# KiCad board pcb-rounded.kicad_pcb (continued)
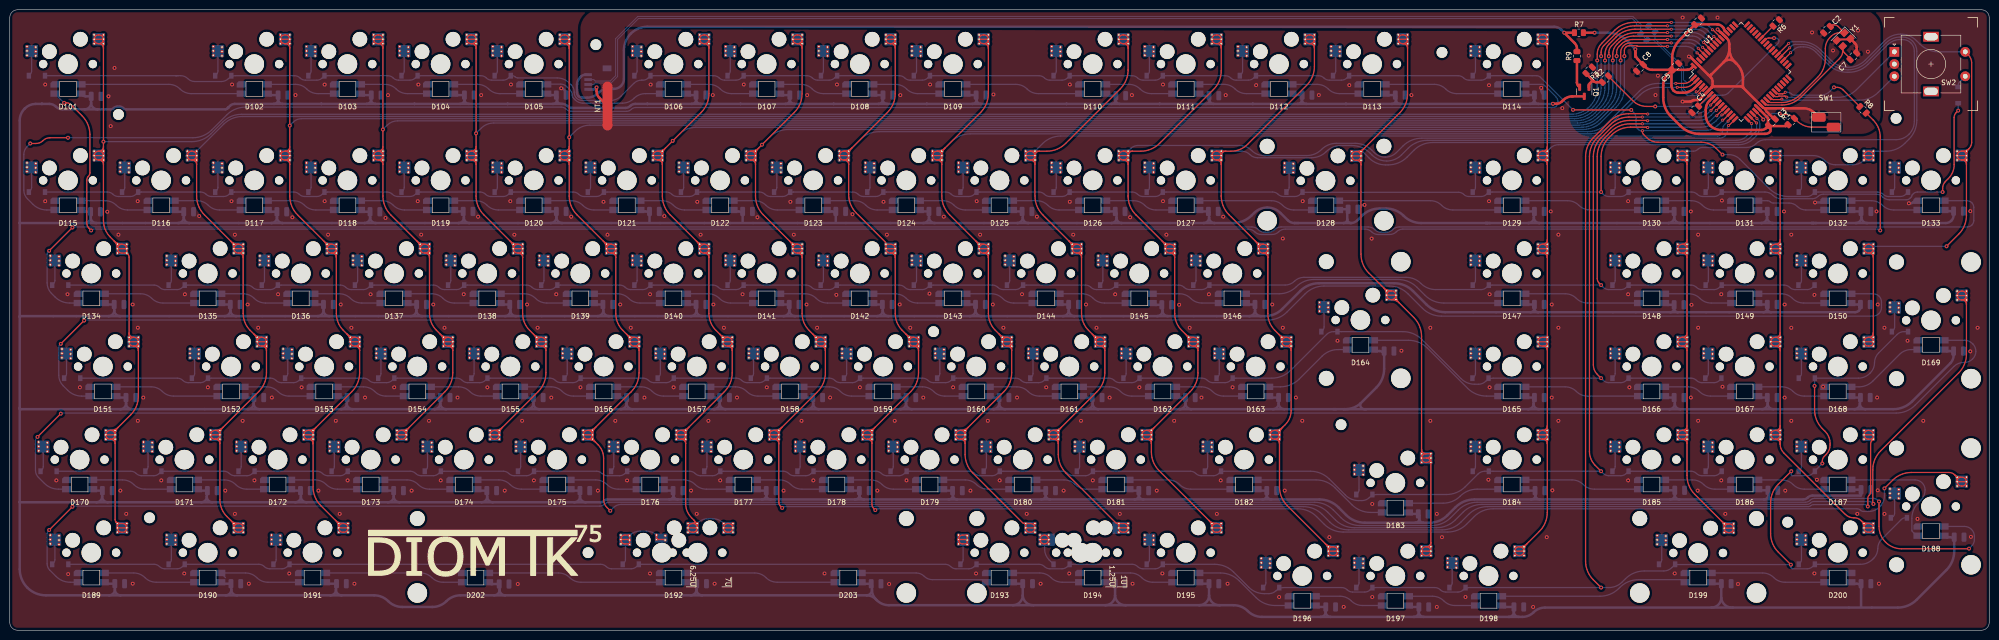
[diagram p0: board, top side]
## Routing (per net, layer and track width the routed paths; a pad name or vN(x,y) marks a point on that pad's centre or on a via; arc(x,y) is an arc through that point) (continued)
COL16: length 223.5
  Top w0.254: MX86.1 MX86.1 ; MX86.1 arc(360.42,40.64) 361.06,40.9 361.16,40.9 ; MX86.1 arc(360.42,39.36) 361.06,39.1 361.16,39.1 ; MX86.1 362.06,41.8 ; MX86.1 362.06,38.2 ; MX86.1 arc(361.79,39.36) 361.16,39.1 ; MX86.1 arc(361.79,40.64) 361.16,40.9 ; MX49.1 MX49.1 ; MX49.1 arc(360.42,77.46) 361.06,77.2 361.16,77.2 ; MX49.1 arc(360.42,78.74) 361.06,79 361.16,79 ; MX49.1 362.06,76.3 ; MX49.1 362.06,79.9 ; MX49.1 arc(361.79,77.46) 361.16,77.2 ; MX49.1 arc(361.79,78.74) 361.16,79 ; 361.16,96.25 361.06,96.25 arc(360.42,96.51) MX31.1 ; 361.16,96.25 arc(361.79,95.99) 362.06,95.35 ; 361.16,96.25 arc(361.79,96.51) MX31.1 ; 361.16,59.95 361.06,59.95 arc(360.42,59.69) MX67.1 ; 361.16,59.95 arc(361.79,60.21) 362.06,60.85 ; 361.16,59.95 arc(361.79,59.69) MX67.1 ; 362.06,76.3 362.06,60.85 ; 362.06,76.3 arc(361.79,76.94) 361.16,77.2 ; 362.06,60.85 MX67.1 ; U1.36 362.07,117.24 arc(362.07,117.28) 362.09,117.31 v2(364,119.21) ; MX67.1 MX67.1 ; MX67.1 arc(360.42,58.41) 361.06,58.15 361.16,58.15 ; MX67.1 362.06,57.25 ; MX67.1 arc(361.79,58.41) 361.16,58.15 ; MX31.1 362.06,95.35 ; MX31.1 MX31.1 ; MX31.1 arc(361.79,97.79) 361.16,98.05 361.06,98.05 arc(360.42,97.79) MX31.1 ; 362.06,95.35 362.06,79.9 ; 362.06,79.9 arc(361.79,79.26) 361.16,79 ; 362.06,57.25 362.06,41.8 ; 362.06,57.25 arc(361.79,57.89) 361.16,58.15 ; 362.06,41.8 arc(361.79,41.16) 361.16,40.9 ; MX100.1 MX100.1 ; MX100.1 arc(380.84,21.59) 380.21,21.85 380.03,21.85 ; MX100.1 arc(380.84,20.31) 380.21,20.05 380.11,20.05 arc(379.47,20.31) MX100.1 ; MX100.1 379.21,21.02 ; 379.21,21.02 arc(379.45,21.61) 380.03,21.85 ; 379.21,21.02 arc(379.05,21.79) 378.62,22.43 ; MX32.1 MX32.1 ; MX32.1 arc(380.84,96.51) 380.21,96.25 380.11,96.25 arc(379.47,96.51) MX32.1 ; MX32.1 arc(380.84,97.79) 380.21,98.05 380.11,98.05 arc(379.47,97.79) MX32.1 ; 362.06,38.2 362.06,38.07 arc(362.25,37.12) 362.78,36.31 375.38,23.71 arc(376.15,23.2) 377.06,23.02 377.21,23.02 arc(377.97,22.87) 378.62,22.43 ; 362.06,38.2 arc(361.79,38.84) 361.16,39.1 ; 380.03,21.85 arc(379.27,22) 378.62,22.43
  Bottom w0.254: v2(364,119.21) 364.35,119.56 arc(364.74,119.82) 365.19,119.91 366.6,119.91 arc(368.36,119.56) 369.84,118.57 372.11,116.3 arc(373.87,115.13) 375.95,114.71 arc(378.03,115.13) 379.79,116.3 383.7,120.21 arc(385.03,121.1) 386.6,121.41 387.1,121.41 arc(388.21,121.19) 389.15,120.56 arc(389.78,119.62) 390,118.51 390,104.37 arc(389.59,102.28) 388.41,100.52 387.53,99.64 arc(385.77,98.46) 383.68,98.05 MX32.1 ; MX31.1 368.83,97.16 arc(370.06,96.91) 371.1,96.22 arc(372.14,95.52) 373.36,95.28 376.94,95.28 arc(378.17,95.52) 379.21,96.22 MX32.1
COL17: length 150.7
  Top w0.254: 400.16,95.35 400.16,84.91 arc(399.74,82.83) 398.56,81.06 v1(396.08,78.58) ; 400.16,95.35 MX33.1 ; 400.16,95.35 arc(399.89,95.99) 399.26,96.25 ; 381.11,60.85 381.11,76.3 ; 381.11,60.85 MX68.1 ; 381.11,60.85 arc(380.84,60.21) 380.21,59.95 ; 381.11,76.3 MX50.1 ; 381.11,76.3 arc(380.84,76.94) 380.21,77.2 ; 399.26,96.25 399.16,96.25 arc(398.52,96.51) MX33.1 ; 399.26,96.25 arc(399.89,96.51) MX33.1 ; MX68.1 MX68.1 ; MX68.1 arc(379.47,58.41) 380.11,58.15 380.21,58.15 arc(380.84,58.41) MX68.1 ; MX68.1 arc(379.47,59.69) 380.11,59.95 380.21,59.95 ; MX68.1 arc(380.84,59.69) 380.21,59.95 ; 399.4,98.05 399.16,98.05 arc(398.52,97.79) MX33.1 ; 399.4,98.05 arc(400.1,98.19) 400.69,98.58 ; 399.4,98.05 arc(399.94,97.83) 400.16,97.3 ; v2(363.8,120.11) 361.52,117.83 arc(361.51,117.81) 361.5,117.79 U1.37 ; 380.21,77.2 380.11,77.2 arc(379.47,77.46) MX50.1 ; 380.21,77.2 arc(380.84,77.46) MX50.1 ; MX33.1 MX33.1 ; MX33.1 400.16,97.3 ; SW2.S2 400.56,117.73 arc(401.05,117) 401.22,116.14 401.22,99.87 arc(401.08,99.17) 400.69,98.58 ; MX50.1 MX50.1 ; MX50.1 arc(379.47,78.74) 380.11,79 380.21,79 arc(380.84,78.74) MX50.1 ; 400.16,97.3 arc(400.29,97.99) 400.69,98.58
  Bottom w0.254: v1(396.08,78.58) 380.96,78.58 arc(380.65,78.52) 380.38,78.34 MX50.1 ; SW2.S2 394.48,118.39 arc(392.4,118.8) 390.63,119.98 389.94,120.67 arc(388.46,121.66) 386.7,122.01 arc(384.94,121.66) 383.46,120.67 379.45,116.66 arc(377.84,115.59) 375.95,115.21 arc(374.06,115.59) 372.45,116.66 370.24,118.87 arc(368.48,120.05) 366.4,120.46 364.4,120.46 arc(364.17,120.42) 363.98,120.29 v2(363.8,120.11)
D+: length 249.4
  Top w0.2: v2(345.47,109.65) 345.47,109.93 346.37,110.84 U1.5
  Bottom w0.2: 118.28,111.71 119.44,111.71 119.74,112.01 122.98,112.01 124.3,113.33 124.3,120.93 128.58,125.21 331.79,125.21 332.64,124.35 arc(332.69,124.24) 332.64,124.13 arc(332.6,124.02) 332.64,123.91 332.7,123.85 arc(332.81,123.81) 332.92,123.85 arc(333.03,123.9) 333.14,123.85 333.52,123.47 R4.2 R4.1 336.16,120.8 341.9,115.06 341.9,110.63 343.02,109.51 345.05,109.51 345.18,109.65 v2(345.47,109.65)
D-: length 249.3
  Top w0.2: U1.4 346.09,111.12 345.18,110.21 v2(344.9,110.21)
  Bottom w0.2: 118.28,112.71 119.44,112.71 119.74,112.41 122.82,112.41 123.9,113.5 123.9,121.1 128.42,125.61 331.95,125.61 333.81,123.76 R5.2 R5.1 336.45,121.08 342.3,115.23 342.3,112.71 arc(342.38,112.52) 342.57,112.44 342.58,112.44 arc(342.77,112.36) 342.85,112.17 arc(342.77,111.98) 342.58,111.9 342.57,111.9 arc(342.38,111.82) 342.3,111.63 342.3,110.8 343.18,109.91 344.88,109.91 344.9,109.93 v2(344.9,110.21)
ROT_A: length 28.9
  Top w0.254: U1.26 360.61,109.47 arc(360.87,109.29) 361.18,109.23 361.56,109.23 arc(361.63,109.24) 361.68,109.28 arc(361.74,109.32) 361.81,109.33 363.03,109.33 arc(363.17,109.3) 363.29,109.22 v2(363.4,109.11)
  Bottom w0.254: v2(363.4,109.11) 363.42,109.09 arc(363.45,109.07) 363.47,109.07 373.83,109.07 arc(375.92,109.48) 377.68,110.66 SW2.A
ROT_B: length 27.7
  Top w0.254: v2(362.4,108.71) 362.35,108.66 arc(362.29,108.63) 362.23,108.61 360.7,108.61 arc(360.36,108.68) 360.07,108.88 U1.25
  Bottom w0.254: v2(362.4,108.71) 362.51,108.6 arc(362.63,108.52) 362.77,108.5 378.26,108.5 arc(380.34,108.91) 382.11,110.09 SW2.B
ROW0: length 423
  Top w0.254: v1(350.27,97.35) 349,98.62 arc(347.59,99.56) 345.93,99.89 337.04,99.89 arc(335.83,100.13) 334.81,100.81 334.06,101.55 arc(333.93,101.75) 333.88,101.99 v2(333.88,102.24) ; v1(331.6,106.49) 319.74,106.49 arc(319.72,106.49) 319.71,106.5 v1(319.7,106.51) ; v2(350.3,104.41) 350.36,104.41 arc(350.41,104.42) 350.45,104.45 U1.14
  Bottom w0.25: 34,113.51 D1.1 ; 34,113.51 34.01,113.51 ; 34,113.51 arc(34.01,113.51) 34.01,113.51 ; 34.01,113.51 34.51,113.51 ; 34.01,113.51 arc(34.01,113.51) 34.01,113.51 ; 34.01,113.51 arc(34.01,113.51) 34.02,113.51 34.95,113.51 arc(35.74,113.36) 36.4,112.91 arc(37.06,112.47) 37.85,112.31 43.27,112.31 arc(44.05,112.47) 44.71,112.91 arc(45.37,113.35) 46.15,113.51 58.25,113.51 arc(58.84,113.39) 59.35,113.05 arc(59.86,112.71) 60.45,112.59 62.79,112.59 arc(63.39,112.71) 63.9,113.05 arc(64.41,113.39) 65,113.51 77.3,113.51 arc(77.9,113.39) 78.4,113.05 arc(78.91,112.71) 79.51,112.59 81.84,112.59 arc(82.44,112.71) 82.95,113.05 arc(83.46,113.39) 84.05,113.51 96.35,113.51 arc(96.95,113.39) 97.45,113.05 arc(97.96,112.71) 98.56,112.59 100.89,112.59 arc(101.49,112.71) 102,113.05 102.23,113.28 arc(102.48,113.45) 102.78,113.51 arc(103.08,113.45) 103.34,113.28 arc(103.59,113.11) 103.89,113.05 111.96,113.05 arc(113.29,112.78) 114.41,112.03 114.85,111.59 arc(115.28,110.95) 115.43,110.19 115.43,110.04 arc(115.55,109.43) 115.9,108.91 arc(116.41,108.56) 117.02,108.44 122.86,108.44 arc(124.03,108.68) 125.03,109.35 127.63,111.94 arc(128.35,112.42) 129.2,112.59 129.47,112.59 arc(130.07,112.71) 130.57,113.05 arc(131.08,113.39) 131.68,113.51 143.98,113.51 arc(144.57,113.39) 145.08,113.05 arc(145.59,112.71) 146.18,112.59 148.52,112.59 arc(149.12,112.71) 149.62,113.05 arc(150.13,113.39) 150.73,113.51 163.03,113.51 arc(163.62,113.39) 164.13,113.05 arc(164.64,112.71) 165.23,112.59 167.57,112.59 arc(168.17,112.71) 168.67,113.05 arc(169.18,113.39) 169.78,113.51 181.92,113.51 arc(182.51,113.39) 183.02,113.05 arc(183.53,112.71) 184.12,112.59 186.62,112.59 arc(187.22,112.71) 187.72,113.05 arc(188.23,113.39) 188.83,113.51 210.49,113.51 arc(211.09,113.39) 211.6,113.05 arc(212.1,112.71) 212.7,112.59 215.19,112.59 arc(215.79,112.71) 216.3,113.05 arc(216.81,113.39) 217.4,113.51 229.54,113.51 arc(230.14,113.39) 230.65,113.05 arc(231.15,112.71) 231.75,112.59 234.24,112.59 arc(234.84,112.71) 235.35,113.05 arc(235.86,113.39) 236.45,113.51 248.59,113.51 arc(249.19,113.39) 249.7,113.05 arc(250.2,112.71) 250.8,112.59 253.29,112.59 arc(253.89,112.71) 254.4,113.05 arc(254.91,113.39) 255.5,113.51 267.64,113.51 arc(268.24,113.39) 268.75,113.05 arc(269.25,112.71) 269.85,112.59 272.34,112.59 arc(272.94,112.71) 273.45,113.05 arc(273.96,113.39) 274.55,113.51 296.22,113.51 arc(296.81,113.39) 297.32,113.05 arc(297.83,112.71) 298.42,112.59 300.92,112.59 arc(301.52,112.71) 302.02,113.05
  Bottom w0.254: v1(331.6,106.49) 332.09,106 arc(332.45,105.45) 332.58,104.81 332.58,103.47 arc(332.67,103) 332.94,102.6 333.09,102.45 arc(333.32,102.3) 333.59,102.24 v2(333.88,102.24) 333.9,102.26 arc(333.92,102.27) 333.94,102.28 346.74,102.28 arc(348.1,102.55) 349.26,103.32 350.28,104.35 arc(350.3,104.37) 350.3,104.39 v2(350.3,104.41) ; v1(350.27,97.35) 351.58,97.35 arc(352.79,97.1) 353.82,96.42 357.17,93.06 arc(357.18,93.06) 357.18,93.05 arc(357.18,93.05) 357.18,93.05 359.85,90.37 arc(361.62,89.19) 363.7,88.78 367.59,88.78 arc(368.19,88.9) 368.7,89.24 arc(369.21,89.57) 369.8,89.69 382,89.69 arc(382.6,89.57) 383.11,89.24 arc(383.61,88.9) 384.21,88.78 386.64,88.78 arc(387.24,88.9) 387.75,89.24 D33.1 ; v1(319.7,106.51) 313.03,113.18 arc(312.67,113.42) 312.25,113.51 303.13,113.51 arc(302.53,113.39) 302.02,113.05
ROW1: length 454.4
  Top w0.254: v1(395.29,89.69) 395.29,90.49 arc(395.43,91.22) 395.85,91.84 396.46,92.46 arc(397.33,93.76) 397.64,95.3 397.64,104.96 arc(397.75,105.49) 398.05,105.95 v1(398.46,106.36) ; v2(350.14,105.47) 350.24,105.47 arc(350.33,105.49) 350.41,105.54 U1.13 ; v2(334.95,102.89) 334.92,102.93 arc(334.88,102.96) 334.83,102.97 331.44,102.97 arc(329.36,102.55) 327.59,101.37 327.03,100.81 arc(325.85,99.05) 325.44,96.96 v1(325.44,89.69)
  Bottom w0.254: v1(398.46,106.36) D201.1 ; v2(334.95,102.89) 334.99,102.93 arc(335.02,102.95) 335.07,102.96 345.85,102.96 arc(347.49,103.29) 348.88,104.22 v2(350.14,105.47) ; D15.1 19.99,89.69 arc(20.59,89.57) 21.1,89.24 arc(21.6,88.9) 22.2,88.78 24.69,88.78 arc(25.29,88.9) 25.8,89.24 arc(26.31,89.57) 26.9,89.69 39.04,89.69 arc(39.64,89.57) 40.15,89.24 arc(40.65,88.9) 41.25,88.78 43.74,88.78 arc(44.34,88.9) 44.85,89.24 arc(45.36,89.57) 45.95,89.69 58.09,89.69 arc(58.69,89.57) 59.2,89.24 arc(59.7,88.9) 60.3,88.78 62.79,88.78 arc(63.39,88.9) 63.9,89.24 arc(64.41,89.57) 65,89.69 77.14,89.69 arc(77.74,89.57) 78.25,89.24 arc(78.75,88.9) 79.35,88.78 81.84,88.78 arc(82.44,88.9) 82.95,89.24 arc(83.46,89.57) 84.05,89.69 96.19,89.69 arc(96.79,89.57) 97.3,89.24 arc(97.8,88.9) 98.4,88.78 100.89,88.78 arc(101.49,88.9) 102,89.24 arc(102.51,89.57) 103.1,89.69 115.24,89.69 arc(115.84,89.57) 116.35,89.24 arc(116.85,88.9) 117.45,88.78 119.94,88.78 arc(120.54,88.9) 121.05,89.24 arc(121.56,89.57) 122.15,89.69 134.29,89.69 arc(134.89,89.57) 135.4,89.24 arc(135.9,88.9) 136.5,88.78 138.99,88.78 arc(139.59,88.9) 140.1,89.24 arc(140.61,89.57) 141.2,89.69 153.34,89.69 arc(153.94,89.57) 154.45,89.24 arc(154.95,88.9) 155.55,88.78 158.04,88.78 arc(158.64,88.9) 159.15,89.24 arc(159.66,89.57) 160.25,89.69 172.39,89.69 arc(172.99,89.57) 173.5,89.24 arc(174,88.9) 174.6,88.78 177.09,88.78 arc(177.69,88.9) 178.2,89.24 arc(178.71,89.57) 179.3,89.69 191.44,89.69 arc(192.04,89.57) 192.55,89.24 arc(193.05,88.9) 193.65,88.78 196.14,88.78 arc(196.74,88.9) 197.25,89.24 arc(197.76,89.57) 198.35,89.69 210.49,89.69 arc(211.09,89.57) 211.6,89.24 arc(212.1,88.9) 212.7,88.78 215.19,88.78 arc(215.79,88.9) 216.3,89.24 arc(216.81,89.57) 217.4,89.69 229.54,89.69 arc(230.14,89.57) 230.65,89.24 arc(231.15,88.9) 231.75,88.78 234.24,88.78 arc(234.84,88.9) 235.35,89.24 arc(235.86,89.57) 236.45,89.69 258.27,89.69 arc(258.87,89.57) 259.38,89.24 arc(259.89,88.9) 260.49,88.78 262.82,88.78 arc(263.41,88.9) 263.92,89.24 264.35,89.67 arc(264.38,89.68) 264.41,89.67 arc(264.44,89.65) 264.48,89.64 296.31,89.64 arc(296.87,89.53) 297.35,89.21 arc(297.83,88.89) 298.39,88.78 300.92,88.78 arc(301.51,88.9) 302.02,89.24 arc(302.53,89.57) 303.13,89.69 v1(325.44,89.69) 325.9,89.24 arc(326.4,88.9) 327,88.78 329.49,88.78 arc(330.09,88.9) 330.6,89.24 arc(331.11,89.57) 331.7,89.69 344,89.69 arc(344.6,89.57) 345.1,89.24 arc(345.61,88.9) 346.21,88.78 348.54,88.78 arc(349.14,88.9) 349.65,89.24 arc(350.16,89.57) 350.75,89.69 358.94,89.69 arc(359.83,89.52) 360.58,89.01 arc(361.34,88.51) 362.23,88.33 368.67,88.33 arc(369.27,88.45) 369.78,88.79 arc(370.29,89.13) 370.89,89.25 381.66,89.25 arc(382.4,89.1) 383.04,88.68 arc(383.67,88.25) 384.42,88.11 387.83,88.11 arc(388.27,88.19) 388.64,88.44 388.89,88.69 arc(388.95,88.79) 388.97,88.9 arc(389,89.01) 389.06,89.11 389.31,89.36 arc(389.68,89.61) 390.12,89.69 v1(395.29,89.69)
ROW2: length 423.5
  Top w0.254: U1.12 349.12,105.38 arc(349.1,105.36) 349.1,105.34 v2(349.1,105.31) ; v2(333.88,103.66) 333.88,103.66 331.34,103.66 arc(329.25,103.24) 327.49,102.06 326.24,100.81 arc(325.06,99.05) 324.64,96.96 324.64,72 arc(324.75,71.48) 325.04,71.04 v1(325.44,70.64)
  Bottom w0.254: 369.16,70.64 368.7,70.19 arc(368.19,69.85) 367.59,69.73 365.1,69.73 arc(364.5,69.85) 364,70.19 arc(363.49,70.52) 362.89,70.64 350.75,70.64 arc(350.16,70.52) 349.65,70.19 arc(349.14,69.85) 348.54,69.73 346.05,69.73 arc(345.45,69.85) 344.95,70.19 arc(344.44,70.52) 343.84,70.64 331.7,70.64 arc(331.11,70.52) 330.6,70.19 arc(330.09,69.85) 329.49,69.73 327,69.73 arc(326.4,69.85) 325.9,70.19 v1(325.44,70.64) 303.13,70.64 arc(302.53,70.52) 302.02,70.19 arc(301.51,69.85) 300.92,69.73 291.61,69.73 arc(289.98,70.05) 288.59,70.98 arc(287.2,71.91) 285.57,72.23 264.64,72.23 arc(263.61,72.03) 262.74,71.44 arc(261.86,70.86) 260.83,70.65 245.35,70.65 arc(245.34,70.65) 245.34,70.65 244.87,70.19 arc(244.36,69.85) 243.77,69.73 241.28,69.73 arc(240.68,69.85) 240.17,70.19 arc(239.66,70.52) 239.06,70.64 226.93,70.64 arc(226.33,70.52) 225.82,70.19 arc(225.31,69.85) 224.72,69.73 222.23,69.73 arc(221.63,69.85) 221.12,70.19 arc(220.61,70.52) 220.01,70.64 207.88,70.64 arc(207.28,70.52) 206.77,70.19 arc(206.26,69.85) 205.67,69.73 203.18,69.73 arc(202.58,69.85) 202.07,70.19 arc(201.56,70.52) 200.96,70.64 188.83,70.64 arc(188.23,70.52) 187.72,70.19 arc(187.21,69.85) 186.62,69.73 184.13,69.73 arc(183.53,69.85) 183.02,70.19 arc(182.51,70.52) 181.91,70.64 169.78,70.64 arc(169.18,70.52) 168.67,70.19 arc(168.16,69.85) 167.57,69.73 165.08,69.73 arc(164.48,69.85) 163.97,70.19 arc(163.46,70.52) 162.86,70.64 150.73,70.64 arc(150.13,70.52) 149.62,70.19 arc(149.11,69.85) 148.52,69.73 146.03,69.73 arc(145.43,69.85) 144.92,70.19 arc(144.41,70.52) 143.81,70.64 131.68,70.64 arc(131.08,70.52) 130.57,70.19 arc(130.06,69.85) 129.47,69.73 126.98,69.73 arc(126.38,69.85) 125.87,70.19 arc(125.36,70.52) 124.76,70.64 112.63,70.64 arc(112.03,70.52) 111.52,70.19 arc(111.01,69.85) 110.42,69.73 107.93,69.73 arc(107.33,69.85) 106.82,70.19 arc(106.31,70.52) 105.71,70.64 93.58,70.64 arc(92.98,70.52) 92.47,70.19 arc(91.96,69.85) 91.37,69.73 88.88,69.73 arc(88.28,69.85) 87.77,70.19 arc(87.26,70.52) 86.66,70.64 74.53,70.64 arc(73.93,70.52) 73.42,70.19 arc(72.91,69.85) 72.32,69.73 69.83,69.73 arc(69.23,69.85) 68.72,70.19 arc(68.21,70.52) 67.61,70.64 55.48,70.64 arc(54.88,70.52) 54.37,70.19 arc(53.86,69.85) 53.27,69.73 50.78,69.73 arc(50.18,69.85) 49.67,70.19 arc(49.16,70.52) 48.56,70.64 36.43,70.64 arc(35.83,70.52) 35.32,70.19 arc(34.81,69.85) 34.22,69.73 31.73,69.73 arc(31.13,69.85) 30.62,70.19 arc(30.11,70.52) 29.51,70.64 D34.1 ; v2(349.1,105.31) 348.97,105.31 arc(348.85,105.29) 348.74,105.22 348.01,104.48 arc(347.09,103.87) 346.01,103.66 v2(333.88,103.66)
ROW3: length 428
  Top w0.254: v1(325.44,51.59) 324.64,52.39 arc(324.06,53.27) 323.85,54.3 323.85,96.96 arc(324.26,99.05) 325.44,100.81 327.38,102.75 arc(329.15,103.93) 331.23,104.35 334.83,104.35 arc(334.88,104.34) 334.92,104.31 v2(334.95,104.27) ; U1.11 349.02,106.42 arc(349.02,106.41) 349.01,106.41 v2(349,106.41)
  Bottom w0.254: 350.11,51.59 349.65,51.14 arc(349.14,50.8) 348.54,50.68 346.05,50.68 arc(345.45,50.8) 344.95,51.14 arc(344.44,51.47) 343.84,51.59 331.7,51.59 arc(331.11,51.47) 330.6,51.14 arc(330.09,50.8) 329.49,50.68 327,50.68 arc(326.4,50.8) 325.9,51.14 v1(325.44,51.59) 303.36,51.59 arc(302.55,51.43) 301.86,50.97 arc(301.17,50.51) 300.36,50.35 299.59,50.35 arc(298.07,50.65) 296.78,51.51 288.77,59.52 arc(287,60.7) 284.92,61.12 270.7,61.12 arc(269.94,60.97) 269.29,60.54 261.94,53.19 arc(260.18,52.01) 258.1,51.59 250.74,51.59 arc(250.14,51.47) 249.64,51.14 arc(249.13,50.8) 248.53,50.68 246.04,50.68 arc(245.44,50.8) 244.93,51.14 arc(244.43,51.47) 243.83,51.59 231.69,51.59 arc(231.09,51.47) 230.59,51.14 arc(230.08,50.8) 229.48,50.68 226.99,50.68 arc(226.39,50.8) 225.88,51.14 arc(225.38,51.47) 224.78,51.59 212.64,51.59 arc(212.04,51.47) 211.54,51.14 arc(211.03,50.8) 210.43,50.68 207.94,50.68 arc(207.34,50.8) 206.83,51.14 arc(206.33,51.47) 205.73,51.59 193.59,51.59 arc(192.99,51.47) 192.49,51.14 arc(191.98,50.8) 191.38,50.68 188.89,50.68 arc(188.29,50.8) 187.78,51.14 arc(187.28,51.47) 186.68,51.59 174.54,51.59 arc(173.94,51.47) 173.44,51.14 arc(172.93,50.8) 172.33,50.68 169.84,50.68 arc(169.24,50.8) 168.73,51.14 arc(168.23,51.47) 167.63,51.59 155.49,51.59 arc(154.89,51.47) 154.39,51.14 arc(153.88,50.8) 153.28,50.68 150.79,50.68 arc(150.19,50.8) 149.68,51.14 arc(149.18,51.47) 148.58,51.59 136.44,51.59 arc(135.84,51.47) 135.34,51.14 arc(134.83,50.8) 134.23,50.68 131.74,50.68 arc(131.14,50.8) 130.63,51.14 arc(130.13,51.47) 129.53,51.59 117.39,51.59 arc(116.79,51.47) 116.29,51.14 arc(115.78,50.8) 115.18,50.68 112.69,50.68 arc(112.09,50.8) 111.58,51.14 arc(111.08,51.47) 110.48,51.59 98.34,51.59 arc(97.74,51.47) 97.24,51.14 arc(96.73,50.8) 96.13,50.68 93.64,50.68 arc(93.04,50.8) 92.53,51.14 arc(92.03,51.47) 91.43,51.59 79.29,51.59 arc(78.69,51.47) 78.19,51.14 arc(77.68,50.8) 77.08,50.68 74.59,50.68 arc(73.99,50.8) 73.48,51.14 arc(72.98,51.47) 72.38,51.59 60.24,51.59 arc(59.64,51.47) 59.14,51.14 arc(58.63,50.8) 58.03,50.68 55.54,50.68 arc(54.94,50.8) 54.43,51.14 arc(53.93,51.47) 53.33,51.59 41.19,51.59 arc(40.59,51.47) 40.09,51.14 arc(39.58,50.8) 38.98,50.68 36.49,50.68 arc(35.89,50.8) 35.38,51.14 arc(34.88,51.47) 34.28,51.59 14.35,51.59 ; v2(334.95,104.27) 334.99,104.31 arc(335.03,104.34) 335.08,104.35 345.39,104.35 arc(346.74,104.62) 347.89,105.38 348.89,106.38 arc(348.92,106.41) 348.96,106.41 v2(349,106.41)
ROW4: length 448.6
  Top w0.254: v2(333.88,105.04) 331.13,105.04 arc(329.05,104.62) 327.28,103.44 324.65,100.81 arc(323.47,99.05) 323.06,96.96 323.06,36.61 arc(323.37,35.05) 324.25,33.73 v1(325.44,32.54) ; v2(347.9,106.41) 347.9,106.42 arc(347.9,106.43) 347.91,106.43 U1.10
  Bottom w0.254: D86.1 349.65,32.09 arc(349.14,31.75) 348.54,31.63 346.05,31.63 arc(345.45,31.75) 344.95,32.09 arc(344.44,32.42) 343.84,32.54 331.7,32.54 arc(331.11,32.42) 330.6,32.09 arc(330.09,31.75) 329.49,31.63 327,31.63 arc(326.4,31.75) 325.9,32.09 v1(325.44,32.54) 301.66,32.54 arc(300.89,32.39) 300.25,31.96 297.66,29.38 arc(295.9,28.2) 293.81,27.78 279.55,27.78 arc(278.74,27.62) 278.05,27.16 arc(277.36,26.7) 276.54,26.54 275.84,26.54 arc(274.38,26.83) 273.15,27.65 269.85,30.95 arc(268.08,32.13) 266,32.54 248.36,32.54 arc(247.76,32.42) 247.25,32.09 arc(246.75,31.75) 246.15,31.63 243.66,31.63 arc(243.06,31.75) 242.55,32.09 arc(242.04,32.42) 241.45,32.54 222.17,32.54 arc(221.57,32.42) 221.06,32.09 arc(220.55,31.75) 219.95,31.63 217.47,31.63 arc(216.87,31.75) 216.36,32.09 arc(215.85,32.42) 215.25,32.54 203.12,32.54 arc(202.52,32.42) 202.01,32.09 arc(201.5,31.75) 200.9,31.63 198.42,31.63 arc(197.82,31.75) 197.31,32.09 arc(196.8,32.42) 196.2,32.54 184.07,32.54 arc(183.47,32.42) 182.96,32.09 arc(182.45,31.75) 181.85,31.63 179.37,31.63 arc(178.77,31.75) 178.26,32.09 arc(177.75,32.42) 177.15,32.54 165.02,32.54 arc(164.42,32.42) 163.91,32.09 arc(163.4,31.75) 162.8,31.63 160.39,31.63 arc(159.8,31.75) 159.29,32.09 arc(158.78,32.42) 158.18,32.54 145.97,32.54 arc(145.37,32.42) 144.86,32.09 arc(144.35,31.75) 143.75,31.63 141.27,31.63 arc(140.67,31.75) 140.16,32.09 arc(139.65,32.42) 139.05,32.54 126.92,32.54 arc(126.32,32.42) 125.81,32.09 arc(125.3,31.75) 124.7,31.63 122.22,31.63 arc(121.62,31.75) 121.11,32.09 arc(120.6,32.42) 120,32.54 107.87,32.54 arc(107.27,32.42) 106.76,32.09 arc(106.25,31.75) 105.65,31.63 103.17,31.63 arc(102.57,31.75) 102.06,32.09 arc(101.55,32.42) 100.95,32.54 88.82,32.54 arc(88.22,32.42) 87.71,32.09 arc(87.2,31.75) 86.6,31.63 84.12,31.63 arc(83.52,31.75) 83.01,32.09 arc(82.5,32.42) 81.9,32.54 69.77,32.54 arc(69.17,32.42) 68.66,32.09 arc(68.15,31.75) 67.55,31.63 65.07,31.63 arc(64.47,31.75) 63.96,32.09 arc(63.45,32.42) 62.85,32.54 50.72,32.54 arc(50.12,32.42) 49.61,32.09 arc(49.1,31.75) 48.5,31.63 46.02,31.63 arc(45.42,31.75) 44.91,32.09 arc(44.4,32.42) 43.8,32.54 31.67,32.54 arc(31.07,32.42) 30.56,32.09 arc(30.05,31.75) 29.45,31.63 26.97,31.63 arc(26.37,31.75) 25.86,32.09 arc(25.35,32.42) 24.75,32.54 D70.1 ; v2(347.9,106.41) 347.21,105.72 arc(346.45,105.22) 345.55,105.04 v2(333.88,105.04)
ROW5: length 584.5
  Top w0.254: v2(334.95,105.65) 334.91,105.69 arc(334.87,105.72) 334.82,105.73 331.03,105.73 arc(328.94,105.31) 327.18,104.13 323.86,100.81 arc(322.68,99.05) 322.26,96.96 322.26,14.15 arc(322.68,12.08) 323.85,10.32 v1(325.44,8.73) ; v2(347.85,107.51) 347.85,107.51 arc(347.85,107.51) 347.86,107.51 U1.9 ; v1(369.09,50.01) 369.09,45.11 arc(369.51,43.03) 370.68,41.28 371.24,40.72 arc(372,39.58) 372.27,38.23 372.27,37.9 arc(372.06,36.86) 371.48,35.98 371.05,35.56 arc(370.78,35.15) 370.68,34.66 v1(370.68,34.13) ; v1(364.33,32.54) 361.69,29.91 arc(360.51,28.14) 360.1,26.06 360.1,19.82 arc(360.51,17.74) 361.69,15.97 v1(364.25,13.41)
  Bottom w0.254: D89.1 29.51,13.49 arc(30.11,13.37) 30.62,13.04 arc(31.13,12.7) 31.73,12.58 34.22,12.58 arc(34.81,12.7) 35.32,13.04 arc(35.83,13.37) 36.43,13.49 50.95,13.49 arc(51.54,13.37) 52.05,13.04 arc(52.56,12.7) 53.16,12.58 55.65,12.58 arc(56.25,12.7) 56.75,13.04 arc(57.26,13.37) 57.86,13.49 120.87,13.49 arc(121.47,13.37) 121.98,13.04 arc(122.49,12.7) 123.09,12.58 127.08,12.58 arc(127.68,12.7) 128.19,13.04 arc(128.7,13.37) 129.3,13.49 191.32,13.49 arc(191.91,13.37) 192.42,13.04 arc(192.93,12.7) 193.53,12.58 196.14,12.58 arc(196.74,12.7) 197.25,13.04 arc(197.76,13.37) 198.35,13.49 210.49,13.49 arc(211.09,13.37) 211.6,13.04 arc(212.1,12.7) 212.7,12.58 215.19,12.58 arc(215.79,12.7) 216.3,13.04 arc(216.81,13.37) 217.4,13.49 229.54,13.49 arc(230.14,13.37) 230.65,13.04 arc(231.15,12.7) 231.75,12.58 234.24,12.58 arc(234.84,12.7) 235.35,13.04 arc(235.86,13.37) 236.45,13.49 246.44,13.49 arc(248.52,13.08) 250.28,11.9 253.4,8.79 arc(254.84,7.82) 256.54,7.49 257.49,7.49 arc(258.31,7.65) 259,8.11 arc(259.69,8.57) 260.5,8.73 272.4,8.73 arc(273,8.61) 273.51,8.27 arc(274.02,7.93) 274.62,7.81 277.1,7.81 arc(277.7,7.93) 278.21,8.27 arc(278.72,8.61) 279.32,8.73 291.45,8.73 arc(292.05,8.61) 292.56,8.27 arc(293.07,7.93) 293.67,7.81 296.15,7.81 arc(296.75,7.93) 297.26,8.27 arc(297.77,8.61) 298.37,8.73 v1(325.44,8.73) 327.03,8.73 arc(328.49,9.02) 329.74,9.85 330.42,10.53 arc(332.18,11.71) 334.26,12.13 338.25,12.13 arc(339.14,12.31) 339.9,12.81 340.55,13.47 arc(340.58,13.48) 340.61,13.47 arc(340.64,13.45) 340.68,13.44 364.21,13.44 arc(364.23,13.44) 364.24,13.43 v1(364.25,13.41) 364.25,12.92 arc(364.28,12.79) 364.35,12.68 arc(364.47,12.6) 364.6,12.58 367.59,12.58 arc(368.19,12.7) 368.7,13.04 arc(369.21,13.37) 369.8,13.49 378.49,13.49 arc(379.84,13.76) 380.98,14.53 381.21,14.75 arc(381.81,15.64) 382.02,16.7 arc(382.23,17.76) 382.82,18.65 386.83,22.66 arc(387.23,22.93) 387.7,23.02 388.21,23.02 ; v2(347.85,107.51) 346.96,106.62 arc(345.98,105.96) 344.82,105.73 335.07,105.73 arc(335.03,105.72) 334.99,105.69 v2(334.95,105.65) ; D69.1 387.38,61.12 arc(386.62,60.97) 385.97,60.54 382.19,56.75 arc(381.57,55.82) 381.35,54.72 arc(381.13,53.62) 380.51,52.69 380.38,52.56 arc(379.31,51.85) 378.04,51.59 369.2,51.59 arc(369.16,51.59) 369.13,51.56 arc(369.1,51.53) 369.09,51.49 v1(369.09,50.01) ; v1(370.68,34.13) 369.18,32.63 arc(369.16,32.6) 369.16,32.58 arc(369.15,32.55) 369.13,32.52 368.7,32.09 arc(368.19,31.75) 367.59,31.63 364.54,31.63 arc(364.46,31.64) 364.39,31.69 arc(364.35,31.76) 364.33,31.84 v1(364.33,32.54)